# Altium PCB SystemStatus.PcbDoc (part 2 of 2)
Units mm, origin at the board's own origin, x right, y up, seen from the top; angles counter-clockwise.
Board outline 73.66 x 76.83 mm, 4 copper layers (Sig/3V3, GND 1, GND 2, Sig/5V), stack 1.57 mm thick; 74 components, 62 nets, 474 pads, 229 vias.
Unrouted connection lines stored in the file: 1.
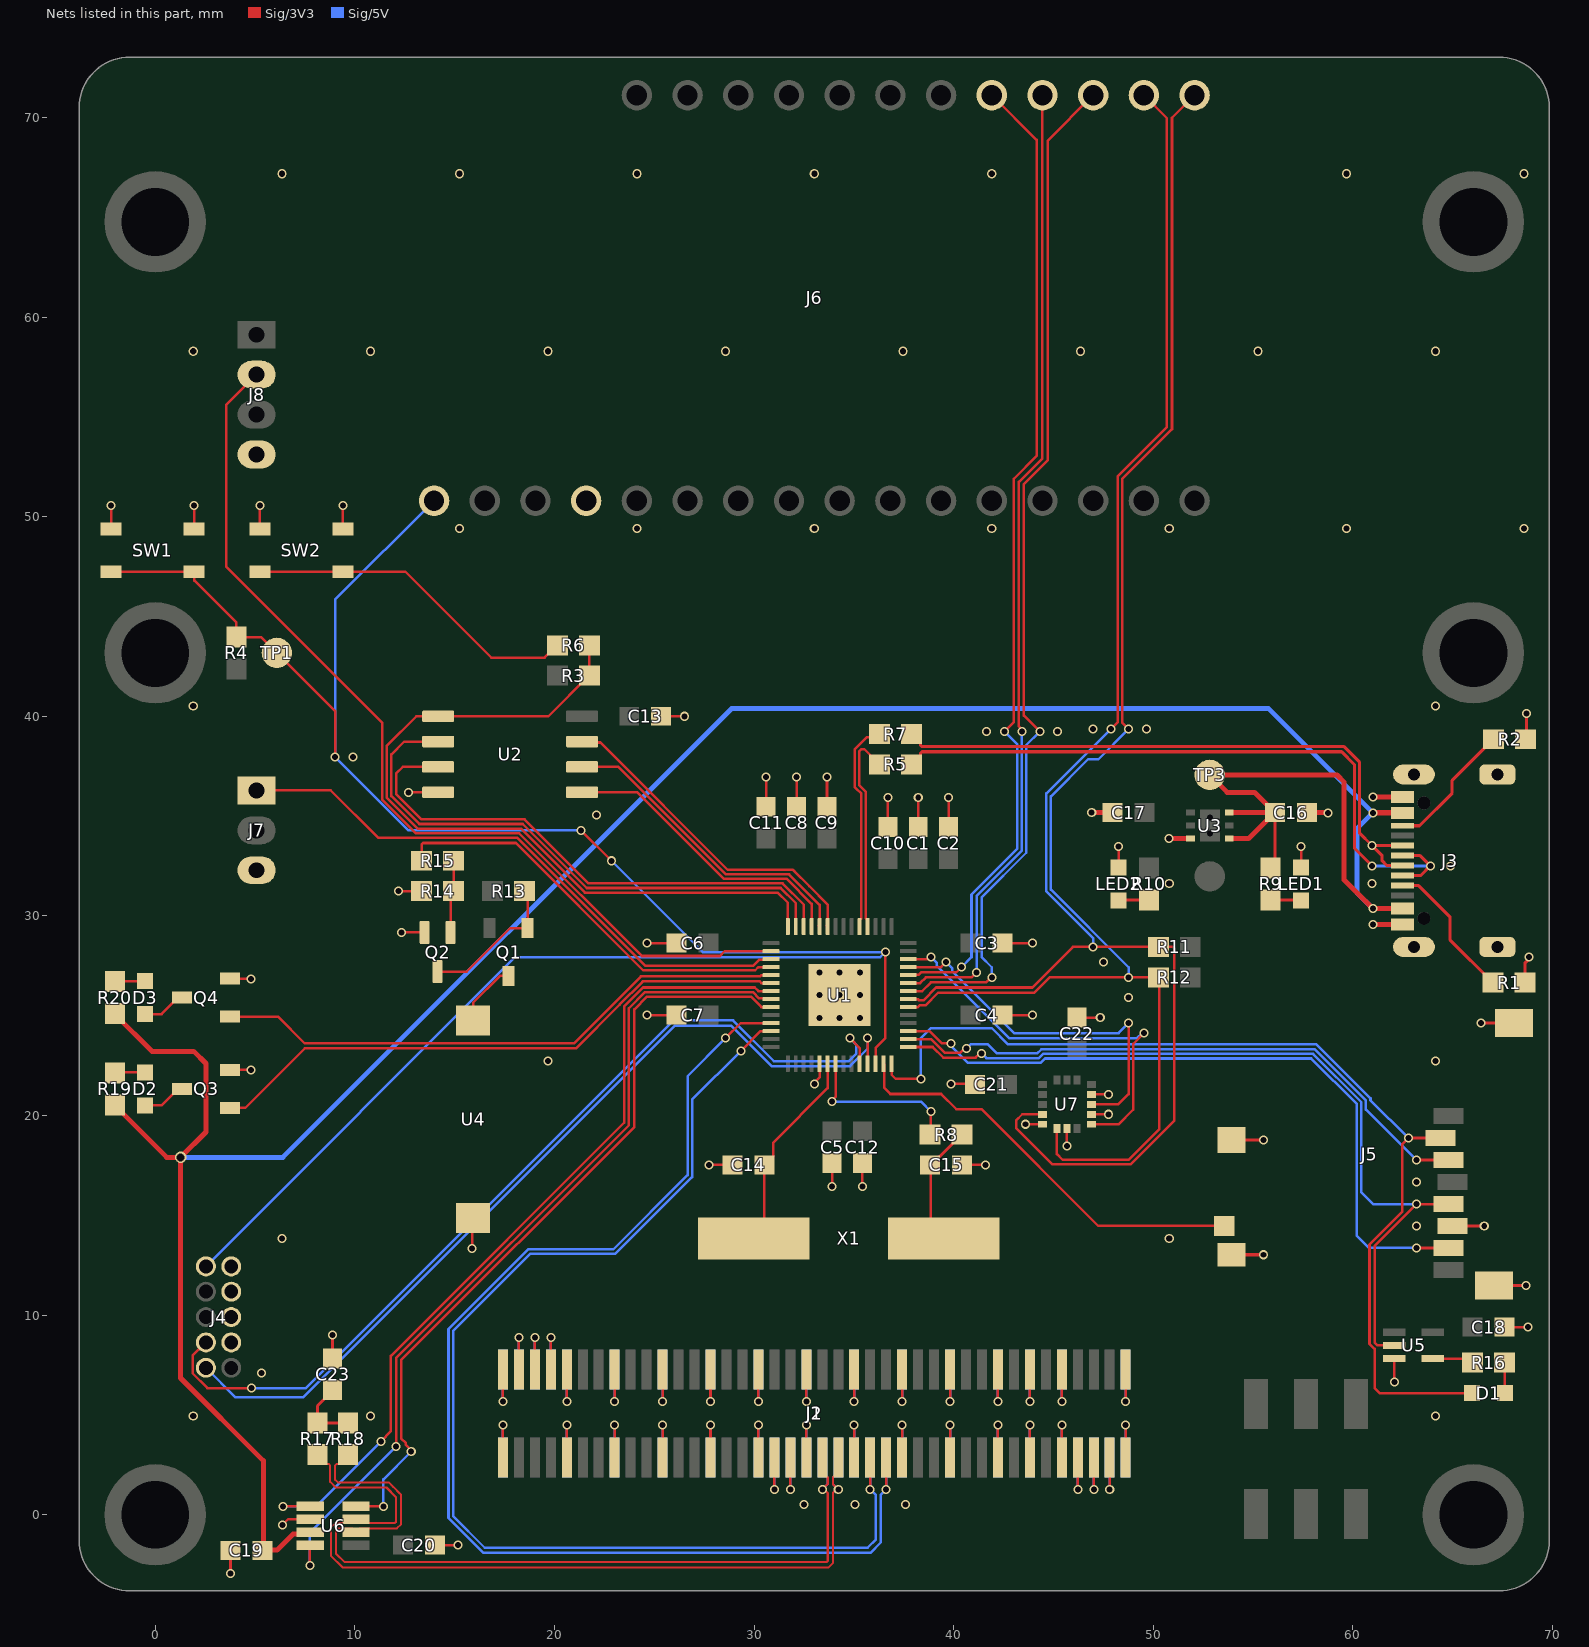
[diagram p4: the nets of this part, all layers, seen from the top]

## Via types
v1: diameter 0.452, hole 0.3, Sig/3V3 to Sig/5V, tented top, 170 vias
v2: diameter 0.457, hole 0.305, Sig/3V3 to Sig/5V, 58 vias
v3: diameter 0.579, hole 0.402, Sig/3V3 to Sig/5V, tented top, 1 vias

## Nets (pads, with @x,y where several pads share a name; then routed paths per layer and width w, separated by ;. In a path a pad name is that pad's centre, name@x,y a point inside that pad or via, vN(x,y) a via of type N, cw(c..) or ccw(c..) an arc to the next point about the centre after c; other vN are vias at no path point) (continued)
+5V: J1.3 J1.5 J1.7 J1.43 J1.45 J1.74 J1.76 J1.78 J2.3 J2.5 J2.7 J2.43 J2.45 J2.74 J2.76 J2.78 | length 25.8
  Sig/3V3 w0.127: J2.78@18.22,7.28 v1(18.22,8.89) ; J2.76@19.02,7.28 v1(19.02,8.89) ; J2.74@19.82,7.28 v1(19.82,8.89) ; v1(31.02,1.27) J2.45@31.02,2.88 ; v1(31.82,1.27) J2.43@31.82,2.88 ; v1(46.22,1.27) J2.7@46.22,2.88 ; v1(47.02,1.27) J2.5@47.02,2.88 ; v1(47.82,1.27) J2.3@47.82,2.88
  Sig/5V w0.127: J1.78@18.22,7.28 v1(18.22,8.89) ; J1.76@19.02,7.28 v1(19.02,8.89) ; J1.74@19.82,7.28 v1(19.82,8.89) ; v1(31.02,1.27) J1.45@31.02,2.88 ; v1(31.82,1.27) J1.43@31.82,2.88 ; v1(46.22,1.27) J1.7@46.22,2.88 ; v1(47.02,1.27) J1.5@47.02,2.88 ; v1(47.82,1.27) J1.3@47.82,2.88
+5V_USB0: C16.2 C19.2 J3.A4_B9 J3.B4_A9 R9.2 R19.2 R20.2 TP3.1 U3.4 U3.6 U6.3 | length 144.6
  Sig/3V3 w0.152: R9.2@56.096,32.62 C16.2@56.096,35.175
  Sig/3V3 w0.254: R19.2@-2.024,20.536 -2.024,20.511 0.58,17.907 v3(1.27,17.907) ; R20.2@-2.024,25.108 -2.024,25.083 -0.161,23.22 1.926,23.22 2.54,22.606 2.54,19.177 v3(1.27,17.907) ; U6.3@7.763,-0.874 7.674,-0.963 6.911,-0.963 6.104,-1.77 5.38,-1.77 C19.2@5.372,-1.778 5.418,-1.732 5.418,2.71 1.27,6.858 v3(1.27,17.907) ; U3.4@53.807,33.875 54.771,33.875 C16.2@56.071,35.175 ; U3.6@53.807,35.175 C16.2@56.071,35.175 ; C16.2@56.096,35.175 C16.2@56.071,35.175 ; v1(60.998,35.17) J3.B4_A9@62.484,35.17 ; J3.A4_B9@62.484,30.37 v1(60.998,30.37) 59.563,31.805 59.563,36.703 59.201,37.065 TP3.1@52.832,37.065 53.702,36.195 55.076,36.195 55.723,35.548 55.723,35.523 C16.2@56.071,35.175
  Sig/5V w0.254: v3(1.27,17.907) 6.394,17.907 28.873,40.386 55.782,40.386 v1(60.998,35.17) 60.198,34.37 60.198,31.17 v1(60.998,30.37)
BRD_I2C_SCL: J6.18 R11.1 U1.35 U7.4 | length 81.2
  Sig/3V3 w0.127: U1.35@37.725,25.835 38.208,25.835 38.269,25.775 38.481,25.775 39.122,26.416 43.942,26.416 45.974,28.448 v1(46.99,28.448) R11.1@50.254,28.448 50.98,28.448 51.054,28.374 51.054,19.743 48.863,17.551 44.952,17.551 43.13,19.374 43.13,19.758 43.438,20.066 U7.4@44.45,20.066 ; v1(47.879,39.37) 48.211,39.702 48.211,52.021 50.686,54.496 50.686,69.964 J6.18@49.53,71.12
  Sig/5V w0.127: v1(46.99,28.448) 46.984,28.454 46.984,28.892 44.647,31.23 44.647,36.138 v1(47.879,39.37)
BRD_I2C_SDA: J6.17 R12.1 U1.34 U7.6 | length 77.3
  Sig/3V3 w0.127: U1.34@37.725,25.435 38.208,25.435 38.294,25.521 38.586,25.521 39.228,26.162 44.047,26.162 44.809,26.924 v1(48.768,26.924) R12.1@50.254,26.924 50.292,26.886 50.292,19.304 48.768,17.78 45.466,17.78 45.175,18.071 U7.6@45.175,19.341 ; v1(48.768,39.37) 48.44,39.698 48.44,51.89 50.94,54.39 50.94,69.99 J6.17@52.07,71.12
  Sig/5V w0.127: v1(48.768,26.924) 48.768,27.432 44.875,31.325 44.875,35.985 46.742,37.852 47.25,37.852 v1(48.768,39.37)
CAN0_GRN: Q3.1 U1.6 | length 29.8
  Sig/3V3 w0.127: Q3.1@3.748,20.386 4.511,20.386 7.493,23.368 21.082,23.368 23.266,25.552 23.266,25.557 24.405,26.695 24.409,26.695 24.435,26.721 30.286,26.721 30.372,26.635 U1.6@30.855,26.635
CAN0_N: J1.39 J2.39 R18.2 U6.6 | length 43.7
  Sig/3V3 w0.102: R18.2@9.652,3.01 9.652,2.985 9.203,2.536 9.077,2.536 9.017,2.476 9.017,1.756 9.153,1.621 11.693,1.621 11.841,1.472 11.916,1.397 12.245,1.069 12.319,0.994 12.319,-0.468 12.111,-0.676 10.757,-0.676 10.748,-0.685 10.252,-0.685 U6.6@10.063,-0.874 9.874,-0.685 9.378,-0.685 9.369,-0.676 9.119,-0.676 9.059,-0.736 9.059,-1.947 9.487,-2.375 33.633,-2.375 33.693,-2.315 33.693,0.902 33.693,1.092 33.515,1.27 v1(33.42,1.27) 33.693,1.543 33.693,1.871 33.633,1.931 33.619,1.931 33.42,2.13 J2.39@33.42,2.88
  Sig/5V w0.102: v1(33.42,1.27) 33.693,1.543 33.693,1.871 33.633,1.931 33.619,1.931 33.42,2.13 J1.39@33.42,2.88
CAN0_P: J1.37 J2.37 R17.1 U6.7 | length 44.5
  Sig/3V3 w0.102: R17.1@8.128,3.01 8.128,2.985 8.577,2.536 8.703,2.536 8.763,2.476 8.763,1.651 9.047,1.367 11.587,1.367 12.065,0.889 12.065,-0.362 12.005,-0.422 10.757,-0.422 10.748,-0.413 10.252,-0.413 U6.7@10.063,-0.224 9.874,-0.413 9.378,-0.413 9.369,-0.422 9.013,-0.422 8.805,-0.63 8.805,-2.052 9.382,-2.629 33.739,-2.629 33.947,-2.421 33.947,1.008 33.947,1.092 34.125,1.27 v1(34.22,1.27) 33.947,1.543 33.947,1.871 34.007,1.931 34.021,1.931 34.22,2.13 J2.37@34.22,2.88
  Sig/5V w0.102: v1(34.22,1.27) 33.947,1.543 33.947,1.871 34.007,1.931 34.021,1.931 34.22,2.13 J1.37@34.22,2.88
CAN0_RX: U1.8 U6.4 | length 43.2
  Sig/3V3 w0.127: v1(7.747,-2.54) 7.747,-1.54 U6.4@7.763,-1.524 ; v1(12.065,3.429) 12.065,7.852 23.724,19.511 23.724,25.368 24.543,26.187 29.942,26.187 30.258,25.872 30.819,25.872 U1.8@30.855,25.835
  Sig/5V w0.127: v1(7.747,-2.54) 7.747,-0.889 v1(12.065,3.429)
CAN0_STB: U1.9 U6.8 | length 39.2
  Sig/3V3 w0.127: U6.8@10.063,0.426 v1(11.43,0.426) ; v1(12.827,3.175) 12.827,3.233 12.561,3.498 12.561,3.588 12.319,3.83 12.319,7.747 24.003,19.431 24.003,25.324 24.638,25.959 29.848,25.959 30.372,25.435 U1.9@30.855,25.435
  Sig/5V w0.127: v1(11.43,0.426) 11.43,1.778 v1(12.827,3.175)
CAN0_TX: U1.7 U6.1 | length 42.3
  Sig/3V3 w0.127: v1(6.396,0.426) U6.1@7.763,0.426 ; v1(11.303,3.683) 11.811,4.191 11.811,7.957 23.495,19.641 23.495,25.462 24.449,26.416 30.037,26.416 30.218,26.235 U1.7@30.855,26.235
  Sig/5V w0.127: v1(6.396,0.426) 8.046,0.426 v1(11.303,3.683)
CAN0_YLW: Q4.1 U1.5 | length 29.1
  Sig/3V3 w0.127: Q4.1@3.748,24.958 6.157,24.958 7.493,23.622 20.977,23.622 24.329,26.975 30.311,26.975 30.372,27.035 U1.5@30.855,27.035
FW_SW2: J6.21 U1.38 | length 49.5
  Sig/3V3 w0.127: U1.38@37.725,27.035 37.734,27.044 38.237,27.044 38.371,27.178 40.132,27.178 v1(40.386,27.432) ; J6.21@41.91,71.12 44.156,68.874 44.156,53.046 43.015,51.905 43.015,39.713 v1(42.545,39.243)
  Sig/5V w0.127: v1(40.386,27.432) 40.894,27.94 40.894,31.071 43.18,33.357 43.18,38.608 v1(42.545,39.243)
FW_SW3: J6.19 U1.36 | length 51.9
  Sig/3V3 w0.127: U1.36@37.725,26.235 38.427,26.235 38.862,26.67 41.628,26.67 41.882,26.924 v1(41.91,26.924) ; v1(44.323,39.243) 43.523,40.043 43.523,51.638 44.704,52.819 44.704,68.834 J6.19@46.99,71.12
  Sig/5V w0.127: v1(41.91,26.924) 41.91,27.432 41.402,27.94 41.402,30.933 43.637,33.168 43.637,38.557 v1(44.323,39.243)
FW_SW4: J6.20 U1.37 | length 49.1
  Sig/3V3 w0.127: U1.37@37.725,26.635 38.319,26.635 38.608,26.924 40.886,26.924 41.14,27.178 v1(41.148,27.178) ; v1(43.434,39.243) 43.434,39.331 43.269,39.496 43.269,51.743 44.45,52.924 J6.20@44.45,71.12
  Sig/5V w0.127: v1(41.148,27.178) 41.148,31.002 43.409,33.263 43.409,39.218 v1(43.434,39.243)
GND: C1.1 C2.1 C3.1 C4.1 C5.1 C6.1 C7.1 C8.1 C9.1 C10.1 C11.1 C12.1 C13.1 C14.1 C15.1 C16.1 C17.1 C18.2 C19.1 C20.1 C21.1 C22.1 C23.2 J1.1 J1.2 J1.9 J1.10 J1.13 J1.14 J1.17 J1.18 J1.23 J1.24 J1.29 J1.30 J1.35 J1.36 J1.41 J1.42 J1.47 J1.48 J1.53 J1.54 J1.59 J1.60 J1.65 J1.66 J1.71 J1.72 J1.79 J1.80 J2.1 J2.2 J2.9 J2.10 J2.13 J2.14 J2.17 J2.18 J2.23 J2.24 J2.29 J2.30 J2.35 J2.36 J2.41 J2.42 J2.47 J2.48 J2.53 J2.54 J2.59 J2.60 J2.65 J2.66 J2.71 J2.72 J2.79 J2.80 J3.A1_B12 J3.B1_A12 J3.S1 J3.S2 J3.S3 J3.S4 J4.3 J4.5 J4.7 J4.9 J5.G1 J5.G2 J5.G3 J5.G4 J5.P6 J6.4 J7.3 J8.4 LED1.C LED2.C Q2.2 Q3.2 Q4.2 R1.1 R2.1 R14.1 SW1.3 SW1.4 SW2.3 SW2.4 U1.19 U1.57 U2.4 U3.3 U4.N U5.3 U6.2 U7.5 U7.7 U7.10 U7.12 | length 155.9
  Sig/3V3 w0.127: SW1.4@-2.204,49.394 v1(-2.204,50.564) ; SW1.3@1.946,49.394 v1(1.946,50.564) ; Q3.2@3.748,22.286 v1@4.79,22.286 ; Q4.2@3.748,26.858 v1@4.79,26.858 ; v1(3.772,-2.948) C19.1@3.772,-1.778 ; SW2.4@5.248,49.394 v1(5.248,50.564) ; v1(6.371,-0.508) 6.655,-0.224 U6.2@7.763,-0.224 ; C23.2@8.883,7.841 v1(8.883,9.011) ; SW2.3@9.398,49.394 v1(9.398,50.564) ; v1(12.178,31.242) R14.1@13.348,31.242 ; v1(12.328,29.174) Q2.2@13.498,29.174 ; v1(12.689,36.195) U2.4@14.175,36.195 ; C20.1@14.008,-1.524 v1(15.178,-1.524) ; v1(15.875,13.335) 15.875,14.811 U4.N@15.926,14.862 ; J2.79@17.42,2.88 v1(17.42,4.49) ; v1(17.42,5.67) J2.80@17.42,7.28 ; J2.71@20.62,2.88 v1(20.62,4.49) ; v1(20.62,5.67) J2.72@20.62,7.28 ; J2.65@23.02,2.88 v1(23.02,4.49) ; v1(23.02,5.67) J2.66@23.02,7.28 ; v1(24.638,25.035) C7.1@26.124,25.035 ; v1(24.638,28.635) C6.1@26.124,28.635 ; C13.1@25.349,40.005 v1(26.519,40.005) ; J2.59@25.42,2.88 v1(25.42,4.49) ; v1(25.42,5.67) J2.60@25.42,7.28 ; v1(27.748,17.526) C14.1@28.918,17.526 ; J2.53@27.82,2.88 v1(27.82,4.49) ; v1(27.82,5.67) J2.54@27.82,7.28 ; J2.47@30.22,2.88 v1(30.22,4.49) ; v1(30.22,5.67) J2.48@30.22,7.28 ; C11.1@30.607,35.471 v1(30.607,36.957) ; C8.1@32.131,35.471 v1(32.131,36.957) ; J2.41@32.62,2.88 v1(32.62,4.49) ; v1(32.62,5.67) J2.42@32.62,7.28 ; v1@33.02,21.639 33.29,21.909 U1.19@33.29,22.6 ; C9.1@33.655,35.471 v1(33.655,36.957) ; v1(33.909,16.445) C5.1@33.909,17.615 ; J2.35@35.02,2.88 v1(35.02,4.49) ; v1(35.02,5.67) J2.36@35.02,7.28 ; v1(35.433,16.445) C12.1@35.433,17.615 ; C10.1@36.703,34.455 v1(36.703,35.941) ; J2.29@37.42,2.88 v1(37.42,4.49) ; v1(37.42,5.67) J2.30@37.42,7.28 ; C1.1@38.227,34.455 v1(38.227,35.941) ; C2.1@39.751,34.455 v1(39.751,35.941) ; J2.23@39.82,2.88 v1(39.82,4.49) ; v1(39.82,5.67) J2.24@39.82,7.28 ; v1(39.878,21.59) 41.048,21.59 C21.1@41.072,21.566 ; C15.1@40.424,17.526 v1(41.594,17.526) ; J2.17@42.22,2.88 v1(42.22,4.49) ; v1(42.22,5.67) J2.18@42.22,7.28 ; C4.1@42.456,25.035 v1(43.942,25.035) ; C3.1@42.672,28.635 v1(43.942,28.635) ; v1(43.593,19.566) U7.5@44.45,19.566 ; J2.13@43.82,2.88 v1(43.82,4.49) ; v1(43.82,5.67) J2.14@43.82,7.28 ; J2.9@45.42,2.88 v1(45.42,4.49) ; v1(45.42,5.67) J2.10@45.42,7.28 ; v1(45.675,18.484) U7.7@45.675,19.341 ; C22.1@46.175,24.906 v1(47.345,24.906) ; U7.10@46.9,20.066 v1(47.757,20.066) ; U7.12@46.9,21.066 v1(47.757,21.066) ; LED2.C@48.26,32.429 v1@48.26,33.471 ; J2.1@48.62,2.88 v1(48.62,4.49) ; v1(48.62,5.67) J2.2@48.62,7.28 ; LED1.C@57.404,32.429 v1@57.404,33.471 ; v1(62.078,6.653) U5.3@62.078,7.823 ; C18.2@67.602,9.398 v1(68.772,9.398)
  Sig/3V3 w0.152: J5.G3@53.922,13.028 v1(55.522,13.028) ; J5.G4@53.922,18.778 v1(55.522,18.778) ; J5.P6@64.982,14.468 v1(66.582,14.468) ; v1(66.421,24.638) J5.G2@68.021,24.638 ; J5.G1@67.072,11.488 v1(68.672,11.488) ; R1.1@68.631,26.662 68.631,27.656 68.834,27.859 v1(68.834,27.94) ; R2.1@68.656,38.854 68.707,38.905 v1(68.707,40.132)
  Sig/3V3 w0.254: v1@46.926,35.175 C17.1@47.968,35.175 ; v1@50.808,33.883 U3.3@51.85,33.883 ; C16.1@57.696,35.175 v1@58.738,35.175 ; v1(60.998,29.57) J3.A1_B12@62.484,29.57 ; v1(60.998,35.97) J3.B1_A12@62.484,35.97
  Sig/5V w0.127: J1.79@17.42,2.88 v1(17.42,4.49) ; v1(17.42,5.67) J1.80@17.42,7.28 ; J1.71@20.62,2.88 v1(20.62,4.49) ; v1(20.62,5.67) J1.72@20.62,7.28 ; J1.65@23.02,2.88 v1(23.02,4.49) ; v1(23.02,5.67) J1.66@23.02,7.28 ; J1.59@25.42,2.88 v1(25.42,4.49) ; v1(25.42,5.67) J1.60@25.42,7.28 ; J1.53@27.82,2.88 v1(27.82,4.49) ; v1(27.82,5.67) J1.54@27.82,7.28 ; J1.47@30.22,2.88 v1(30.22,4.49) ; v1(30.22,5.67) J1.48@30.22,7.28 ; J1.41@32.62,2.88 v1(32.62,4.49) ; v1(32.62,5.67) J1.42@32.62,7.28 ; J1.35@35.02,2.88 v1(35.02,4.49) ; v1(35.02,5.67) J1.36@35.02,7.28 ; J1.29@37.42,2.88 v1(37.42,4.49) ; v1(37.42,5.67) J1.30@37.42,7.28 ; J1.23@39.82,2.88 v1(39.82,4.49) ; v1(39.82,5.67) J1.24@39.82,7.28 ; J1.17@42.22,2.88 v1(42.22,4.49) ; v1(42.22,5.67) J1.18@42.22,7.28 ; J1.13@43.82,2.88 v1(43.82,4.49) ; v1(43.82,5.67) J1.14@43.82,7.28 ; J1.9@45.42,2.88 v1(45.42,4.49) ; v1(45.42,5.67) J1.10@45.42,7.28 ; J1.1@48.62,2.88 v1(48.62,4.49) ; v1(48.62,5.67) J1.2@48.62,7.28
  other v1: 32.512,0.508 35.052,0.508 37.592,0.508 5.334,7.112 63.182,14.468 63.182,16.668 33.02,21.59 4.798,22.279 33.274,24.892 34.29,24.892 35.306,24.892 48.768,25.908 33.274,26.035 34.29,26.035 35.306,26.035 4.797,26.85 33.274,27.178 34.29,27.178 35.306,27.178 47.498,27.686 60.96,31.623 64.897,32.512 48.268,33.479 57.412,33.479 50.8,33.89 22.098,35.052 46.918,35.183 58.746,35.168 9.906,37.973 41.656,39.243 45.212,39.243 46.99,39.37 49.657,39.37
  other v2: 1.905,4.953 10.795,4.953 64.135,4.953 6.35,13.843 50.8,13.843 19.685,22.733 64.135,22.733 50.8,31.623 1.905,40.513 64.135,40.513 15.24,49.403 24.13,49.403 33.02,49.403 41.91,49.403 50.8,49.403 59.69,49.403 68.58,49.403 1.905,58.293 10.795,58.293 19.685,58.293 28.575,58.293 37.465,58.293 46.355,58.293 55.245,58.293 64.135,58.293 6.35,67.183 15.24,67.183 24.13,67.183 33.02,67.183 41.91,67.183 59.69,67.183 68.58,67.183
I2C0_SCL: J1.33 J2.33 U1.12 | length 61.6
  Sig/3V3 w0.127: v1(29.337,23.241) 30.331,24.235 U1.12@30.855,24.235 ; v1(35.82,1.27) J2.33@35.82,2.88
  Sig/5V w0.127: v1(29.337,23.241) 26.899,20.803 26.899,16.923 23.043,13.068 18.778,13.068 14.923,9.212 14.923,-0.064 16.51,-1.651 35.687,-1.651 36.106,-1.232 36.106,0.984 v1(35.82,1.27) J1.33@35.82,2.88
I2C0_SDA: J1.31 J2.31 U1.11 | length 63.5
  Sig/3V3 w0.127: v1(28.575,23.876) 29.334,24.635 U1.11@30.855,24.635 ; v1(36.62,1.27) J2.31@36.62,2.88
  Sig/5V w0.127: v1(28.575,23.876) 26.67,21.971 26.67,17.018 22.948,13.296 18.683,13.296 14.694,9.307 14.694,-0.158 16.441,-1.905 35.83,-1.905 36.36,-1.375 36.36,1.01 v1(36.62,1.27) J1.31@36.62,2.88
IMU_INT1: U1.39 U7.11 | length 18.6
  Sig/3V3 w0.127: U1.39@37.725,27.435 39.373,27.435 v1(39.624,27.686) ; U7.11@46.9,20.566 46.904,20.57 48.256,20.57 48.768,21.082 v1(48.768,24.638)
  Sig/5V w0.127: v1(39.624,27.686) 39.923,27.387 39.923,27.24 43.033,24.13 48.26,24.13 v1(48.768,24.638)
IMU_INT2: U1.40 U7.9 | length 20.2
  Sig/3V3 w0.127: U1.40@37.725,27.835 38.669,27.835 38.774,27.94 v1(38.862,27.94) ; U7.9@46.9,19.566 46.904,19.562 48.256,19.562 48.997,20.303 48.997,23.597 v1(49.53,24.13)
  Sig/5V w0.127: v1(38.862,27.94) 39.161,27.641 39.161,27.494 42.779,23.876 49.195,23.876 49.449,24.13 v1(49.53,24.13)
LEAK_ALARM: R15.1 U1.4 | length 21.1
  Sig/3V3 w0.127: R15.1@13.348,32.766 13.348,33.581 13.422,33.655 18.073,33.655 24.449,27.28 30.063,27.28 30.218,27.435 U1.4@30.855,27.435
LEAK_N: J7.1 U1.3 | length 29.5
  Sig/3V3 w0.127: J7.1@5.08,36.29 8.795,36.29 11.176,33.909 18.142,33.909 24.543,27.508 29.968,27.508 30.258,27.798 30.819,27.798 U1.3@30.855,27.835
LID_OPEN: J8.2 U1.2 | length 48
  Sig/3V3 w0.127: J8.2@5.08,57.118 3.556,55.594 3.556,47.498 11.379,39.675 11.379,35.82 13.062,34.138 18.237,34.138 24.38,27.995 28.292,27.995 28.532,28.235 U1.2@30.855,28.235
NetC15_2: C15.2 R8.1 X1.1 | length 5.2
  Sig/3V3 w0.127: X1.1@38.849,14.541 C15.2@38.849,17.551
  Sig/3V3 w0.152: C15.2@38.849,17.551 39.223,17.925 39.274,17.925 40.399,19.05 R8.1@40.424,19.05
NetC23_1: C23.1 R17.2 R18.1 | length 3.5
  Sig/3V3 w0.152: C23.1@8.883,6.241 8.883,6.216 8.128,5.461 R17.2@8.128,4.61 R18.1@9.652,4.61
NetD1_A: D1.A R16.1 | length 1.5
  Sig/3V3 w0.127: R16.1@67.602,7.62 67.602,6.121 D1.A@67.627,6.096
NetD2_A: D2.A R19.1 | length 1.5
  Sig/3V3 w0.127: R19.1@-1.999,22.161 D2.A@-0.5,22.161
NetD2_C: D2.C Q3.3 | length 2.2
  Sig/3V3 w0.127: D2.C@-0.5,20.511 0.323,20.511 1.148,21.336 Q3.3@1.348,21.336
NetD3_A: D3.A R20.1 | length 1.5
  Sig/3V3 w0.127: R20.1@-1.999,26.733 D3.A@-0.5,26.733
NetD3_C: D3.C Q4.3 | length 2.2
  Sig/3V3 w0.127: D3.C@-0.5,25.083 0.323,25.083 1.148,25.908 Q4.3@1.348,25.908
NetJ3_A5: J3.A5 R1.2 | length 7.2
  Sig/3V3 w0.152: J3.A5@62.484,31.52 63.298,31.52 64.857,29.96 64.857,28.811 67.006,26.662 R1.2@67.031,26.662
NetJ3_B5: J3.B5 R2.2 | length 6.7
  Sig/3V3 w0.152: J3.B5@62.484,34.52 63.34,34.52 64.974,36.154 64.974,36.797 67.031,38.854 R2.2@67.056,38.854
NetLED1_A: LED1.A R9.1 | length 1.5
  Sig/3V3 w0.152: R9.1@55.88,30.804 LED1.A@57.379,30.804
NetLED2_A: LED2.A R10.1 | length 1.5
  Sig/3V3 w0.152: LED2.A@48.285,30.804 R10.1@49.784,30.804
NetQ1_1: Q1.1 Q2.3 R13.1 | length 7.3
  Sig/3V3 w0.127: Q2.3@14.148,27.214 15.607,27.214 17.787,29.394 Q1.1@18.654,29.394 18.654,31.092 R13.1@18.504,31.242
NetQ1_3: Q1.3 U4.P | length 3.2
  Sig/3V3 w0.127: U4.P@15.926,24.762 15.926,25.654 17.266,26.994 Q1.3@17.704,26.994
NetQ2_1: Q2.1 R14.2 R15.2 | length 3.7
  Sig/3V3 w0.127: Q2.1@14.798,29.174 14.798,31.092 R14.2@14.948,31.242 R15.2@14.948,32.766 R15.2@14.986,32.804
QSPI_CLK: U1.52 U2.6 | length 15.9
  Sig/3V3 w0.127: U2.6@21.385,37.465 23.209,37.465 28.587,32.087 31.758,32.087 33.29,30.555 U1.52@33.29,29.521 ; U1.52@33.239,29.521 U1.52@33.29,29.47
QSPI_SD0: U1.53 U2.5 | length 15
  Sig/3V3 w0.127: U2.5@21.385,36.195 24.155,36.195 28.492,31.859 31.641,31.859 32.89,30.61 U1.53@32.89,29.47
QSPI_SD1: U1.55 U2.2 | length 28.3
  Sig/3V3 w0.127: U2.2@14.175,38.735 12.478,38.735 11.836,38.093 11.836,36.01 13.239,34.608 18.414,34.608 21.62,31.401 31.337,31.401 32.09,30.648 U1.55@32.09,29.47
QSPI_SD2: U1.54 U2.3 | length 27.1
  Sig/3V3 w0.127: U2.3@14.175,37.465 12.402,37.465 12.065,37.128 12.065,36.105 13.333,34.836 18.508,34.836 21.715,31.63 31.431,31.63 32.49,30.571 U1.54@32.49,29.47
QSPI_SD3: U1.51 U2.7 | length 16.8
  Sig/3V3 w0.127: U2.7@21.385,38.735 21.429,38.691 22.306,38.691 28.681,32.316 31.946,32.316 32.004,32.258 32.766,31.496 33.69,30.572 U1.51@33.69,29.521 ; U1.51@33.639,29.521 U1.51@33.69,29.47
QSPI_SS: R3.1 R6.2 U1.56 U2.1 | length 39.2
  Sig/3V3 w0.127: R6.2@21.755,43.561 R3.1@21.755,42.037 21.73,42.037 19.698,40.005 U2.1@14.175,40.005 13.081,40.005 11.608,38.532 11.608,35.915 13.144,34.379 18.319,34.379 21.525,31.173 31.184,31.173 31.69,30.667 U1.56@31.69,29.47
RESET: J4.10 J6.1 R4.1 SW1.1 SW1.2 TP1.1 U1.26 | length 110.3
  Sig/3V3 w0.127: SW1.2@-2.204,47.244 SW1.1@1.946,47.244 1.965,47.225 1.965,46.803 4.064,44.704 R4.1@4.064,43.98 4.089,43.955 5.321,43.955 9.017,40.259 v1(9.017,37.973) ; v1(21.336,34.29) v1(22.86,32.766) ; U1.26@36.09,22.6 36.09,23.39 36.576,23.876 v1(36.576,28.194)
  Sig/5V w0.127: J4.10@2.54,12.446 18.034,27.94 36.322,27.94 v1(36.576,28.194) 27.432,28.194 v1(22.86,32.766) ; J6.1@14.237,51.067 J6.1@13.97,50.8 9.017,45.847 v1(9.017,37.973) 12.7,34.29 v1(21.336,34.29)
RP_XIN: C14.2 U1.20 X1.2 | length 9
  Sig/3V3 w0.127: X1.2@30.518,14.364 C14.2@30.518,17.526 ; C14.2@30.954,17.938 30.954,18.635 33.69,21.371 U1.20@33.69,22.6
RP_XOUT: R8.2 U1.21 | length 8.3
  Sig/3V3 w0.127: v1(33.909,20.701) 33.909,20.758 34.09,20.939 U1.21@34.09,22.6 ; R8.2@38.824,19.05 38.862,19.088 v1(38.862,20.193)
  Sig/5V w0.127: v1(33.909,20.701) 38.354,20.701 v1(38.862,20.193)
SD_ACT: R16.2 U5.4 | length 2.1
  Sig/3V3 w0.127: U5.4@64.008,7.823 65.799,7.823 R16.2@66.002,7.62
SD_CD: J5.P9 U1.27 | length 21.1
  Sig/3V3 w0.127: U1.27@36.49,22.6 36.514,22.576 36.514,21.398 36.83,21.082 39.37,21.082 40.132,20.32 41.402,20.32 47.244,14.478 J5.P9@53.552,14.478
SD_CLK: J5.P5 U1.29 U5.2 | length 42.2
  Sig/3V3 w0.127: U1.29@37.725,23.435 38.95,23.435 39.481,22.905 41.104,22.905 41.314,23.114 v1(41.402,23.114) ; U5.2@62.078,8.484 61.239,8.484 61.087,8.636 61.087,13.473 v1(63.182,15.568) J5.P5@64.782,15.568
  Sig/5V w0.127: v1(41.402,23.114) 41.404,23.114 41.639,22.879 44.273,22.879 44.482,23.089 58.007,23.089 60.427,20.669 60.427,16.154 61.013,15.568 v1(63.182,15.568)
SD_CS: D1.C J5.P2 U1.28 | length 51.1
  Sig/3V3 w0.127: U1.28@36.89,22.6 36.89,22.045 37.091,21.844 v1(38.354,21.844) ; v1(62.782,18.868) 62.484,18.57 62.484,15.193 60.833,13.542 60.833,8.567 61.087,8.313 61.087,6.35 61.341,6.096 D1.C@65.977,6.096
  Sig/3V3 w0.152: v1(62.782,18.868) J5.P2@64.382,18.868
  Sig/5V w0.127: v1(38.354,21.844) 38.354,23.876 38.862,24.384 41.91,24.384 42.723,23.571 58.171,23.571 60.884,20.858 60.884,20.766 v1(62.782,18.868)
SD_DI: J5.P3 U1.30 | length 30.4
  Sig/3V3 w0.127: U1.30@37.725,23.835 38.874,23.835 39.55,23.159 40.342,23.159 40.552,23.368 v1(40.64,23.368)
  Sig/3V3 w0.152: v1(63.182,17.768) J5.P3@64.782,17.768
  Sig/5V w0.127: v1(40.64,23.368) 40.668,23.368 40.877,23.577 41.701,23.577 42.164,23.114 44.184,23.114 44.388,23.317 58.101,23.317 60.655,20.763 60.655,20.295 v1(63.182,17.768)
SD_DO: J5.P7 U1.31 | length 35.7
  Sig/3V3 w0.127: U1.31@37.725,24.235 38.797,24.235 39.41,23.622 v1(39.878,23.622)
  Sig/3V3 w0.152: v1(63.182,13.368) J5.P7@64.782,13.368
  Sig/5V w0.127: v1(39.878,23.622) 39.94,23.56 39.94,23.412 40.702,22.651 44.368,22.651 44.577,22.86 57.912,22.86 60.198,20.574 60.198,13.97 60.8,13.368 v1(63.182,13.368)
SWDCLK_RP: J4.4 U1.24 | length 46.4
  Sig/3V3 w0.127: J4.4@2.54,8.636 1.875,7.971 1.875,7.091 2.615,6.35 v1(4.826,6.35) ; v1(34.798,23.876) 35.29,23.384 U1.24@35.29,22.6
  Sig/5V w0.127: v1(4.826,6.35) 7.551,6.35 25.966,24.765 28.956,24.765 30.988,22.733 34.747,22.733 35.128,23.114 35.128,23.546 v1(34.798,23.876)
SWDIO_RP: J4.2 U1.25 | length 44.5
  Sig/3V3 w0.127: U1.25@35.69,22.6 v1@35.688,23.875
  Sig/5V w0.127: J4.2@2.54,7.366 4.02,5.887 7.411,5.887 26.035,24.511 28.851,24.511 30.883,22.479 34.816,22.479 35.687,23.35 v1(35.687,23.876)
USB0_D_N: J3.A7 J3.B7 R5.2 | length 34.4
  Sig/3V3 w0.152: R5.2@37.884,37.592 37.909,37.592 38.333,38.016 38.333,38.138 38.422,38.227 59.436,38.227 60.071,37.592 60.071,33.401 v1(60.96,32.512) ; J3.B7@62.484,32.02 63.389,32.02 v1(63.881,32.512) 63.373,33.02 J3.A7@62.484,33.02
  Sig/5V w0.152: v1(60.96,32.512) v1(63.881,32.512)
USB0_D_P: J3.A6 J3.B6 R7.2 | length 31.2
  Sig/3V3 w0.152: R7.2@37.884,39.116 37.909,39.116 38.333,38.692 38.333,38.57 38.422,38.481 59.563,38.481 60.325,37.719 60.325,34.163 v1(60.96,33.528) ; J3.A6@62.484,32.52 61.714,32.52 61.468,32.766 61.468,33.02 60.964,33.524 62.48,33.524 J3.B6@62.484,33.52
USB0_RP_N: R5.1 U1.46 | length 10.3
  Sig/3V3 w0.127: U1.46@35.69,29.47 35.69,29.79 35.604,29.876 35.604,36.22 35.266,36.558 35.266,38.245 35.375,38.354 35.522,38.354 R5.1@36.284,37.592
USB0_RP_P: R7.1 U1.47 | length 10.6
  Sig/3V3 w0.127: U1.47@35.29,29.47 35.29,29.79 35.376,29.876 35.376,36.125 35.105,36.396 35.038,36.463 35.038,38.34 35.643,38.945 36.113,38.945 R7.1@36.284,39.116
USB_BOOT: R6.1 SW2.1 SW2.2 | length 16.9
  Sig/3V3 w0.127: SW2.2@5.248,47.244 SW2.1@9.398,47.244 12.537,47.244 16.836,42.945 19.514,42.945 20.13,43.561 R6.1@20.155,43.561
pads on no net: J1.11 J1.12 J1.15 J1.16 J1.19 J1.20 J1.21 J1.22 J1.25 J1.26 J1.27 J1.28 J1.32 J1.34 J1.38 J1.40 J1.49 J1.50 J1.51 J1.52 J1.55 J1.56 J1.57 J1.58 J1.61 J1.62 J1.63 J1.64 J1.67 J1.68 J1.69 J1.70 J2.11 J2.12 J2.15 J2.16 J2.19 J2.20 J2.21 J2.22 J2.25 J2.26 J2.27 J2.28 J2.32 J2.34 J2.38 J2.40 J2.49 J2.50 J2.51 J2.52 J2.55 J2.56 J2.57 J2.58 J2.61 J2.62 J2.63 J2.64 J2.67 J2.68 J2.69 J2.70 J3. J3.A8 J3.B8 J4.6 J4.8 J5.P1 J5.P8 J6.3 J6.5 J6.6 J6.7 J6.8 J6.9 J6.10 J6.11 J6.12 J6.13 J6.14 J6.15 J6.16 J6.22 J6.23 J6.24 J6.25 J6.26 J6.27 J6.28 J8.3 U1.13 U1.14 U1.15 U1.16 U1.17 U1.18 U1.32 U1.41 U3.2 U3.5 U3.7 U3.8 U3.9 U5.1 U7.2 U7.3 U7.13 U7.15 U7.16

## Polygon pours and split planes (outlines as drawn)
+3V3_RP on Sig/3V3 "+3V3_RP_L01_P005" (solid, remove dead copper, pour order 5): -3.81,-1.27 -3.81,70.485 cw(c-1.27,70.485) -1.27,73.025 67.31,73.025 cw(c67.31,70.485) 69.85,70.485 69.85,-1.27 cw(c67.31,-1.27) 67.31,-3.81 -1.27,-3.81 cw(c-1.27,-1.27)
+1V1_RP on Sig/3V3 "+1V1_RP_L01_P001" (solid, remove dead copper, pour order 1): 37.79,29.535 30.79,29.535 30.79,22.535 37.776,22.535 37.806,22.505
+3V3 on Sig/3V3 "+3V3_L01_P000" (solid, remove dead copper, pour order 0): 50.546,10.414 49.53,11.43 16.51,11.43 15.494,10.414 15.494,-0.254 16.51,-1.27 49.53,-1.27 50.546,-0.254
+3V3_RP on Sig/5V "+3V3_RP_L04_P006" (solid, remove dead copper, pour order 6): -3.81,-1.27 -3.81,70.485 cw(c-1.27,70.485) -1.27,73.025 67.31,73.025 cw(c67.31,70.485) 69.85,70.485 69.85,-1.27 cw(c67.31,-1.27) 67.31,-3.81 -1.27,-3.81 cw(c-1.27,-1.27)
+5V on Sig/5V "+5V_L04_P002" (solid, remove dead copper, pour order 2): 50.546,10.414 49.53,11.43 16.51,11.43 15.494,10.414 15.494,-0.254 16.51,-1.27 49.53,-1.27 50.546,-0.254
GND on GND 2 (split plane): 67.509,72.507 67.706,72.478 67.9,72.429 68.088,72.362 68.268,72.277 68.439,72.174 68.599,72.056 68.747,71.922 68.881,71.774 68.999,71.614 69.102,71.443 69.187,71.263 69.254,71.075 69.303,70.881 69.332,70.684 69.341,70.501 69.34,70.485 69.34,-1.27 69.341,-1.286 69.332,-1.469 69.303,-1.666 69.254,-1.86 69.187,-2.048 69.102,-2.228 68.999,-2.399 68.881,-2.559 68.747,-2.707 68.599,-2.841 68.439,-2.959 68.268,-3.062 68.088,-3.147 67.9,-3.214 67.706,-3.263 67.509,-3.292 67.326,-3.301 67.31,-3.3 -1.27,-3.3 -1.286,-3.301 -1.469,-3.292 -1.666,-3.263 -1.86,-3.214 -2.048,-3.147 -2.228,-3.062 -2.399,-2.959 -2.559,-2.841 -2.707,-2.707 -2.841,-2.559 -2.959,-2.399 -3.062,-2.228 -3.147,-2.048 -3.214,-1.86 -3.263,-1.666 -3.292,-1.469 -3.301,-1.286 -3.3,-1.27 -3.3,70.485 -3.301,70.501 -3.292,70.684 -3.263,70.881 -3.214,71.075 -3.147,71.263 -3.062,71.443 -2.959,71.614 -2.841,71.774 -2.707,71.922 -2.559,72.056 -2.399,72.174 -2.228,72.277 -2.048,72.362 -1.86,72.429 -1.666,72.478 -1.469,72.507 -1.286,72.516 -1.27,72.515 67.31,72.515 67.326,72.516
GND on GND 1 (split plane): 67.509,72.507 67.706,72.478 67.9,72.429 68.088,72.362 68.268,72.277 68.439,72.174 68.599,72.056 68.747,71.922 68.881,71.774 68.999,71.614 69.102,71.443 69.187,71.263 69.254,71.075 69.303,70.881 69.332,70.684 69.341,70.501 69.34,70.485 69.34,-1.27 69.341,-1.286 69.332,-1.469 69.303,-1.666 69.254,-1.86 69.187,-2.048 69.102,-2.228 68.999,-2.399 68.881,-2.559 68.747,-2.707 68.599,-2.841 68.439,-2.959 68.268,-3.062 68.088,-3.147 67.9,-3.214 67.706,-3.263 67.509,-3.292 67.326,-3.301 67.31,-3.3 -1.27,-3.3 -1.286,-3.301 -1.469,-3.292 -1.666,-3.263 -1.86,-3.214 -2.048,-3.147 -2.228,-3.062 -2.399,-2.959 -2.559,-2.841 -2.707,-2.707 -2.841,-2.559 -2.959,-2.399 -3.062,-2.228 -3.147,-2.048 -3.214,-1.86 -3.263,-1.666 -3.292,-1.469 -3.301,-1.286 -3.3,-1.27 -3.3,70.485 -3.301,70.501 -3.292,70.684 -3.263,70.881 -3.214,71.075 -3.147,71.263 -3.062,71.443 -2.959,71.614 -2.841,71.774 -2.707,71.922 -2.559,72.056 -2.399,72.174 -2.228,72.277 -2.048,72.362 -1.86,72.429 -1.666,72.478 -1.469,72.507 -1.286,72.516 -1.27,72.515 67.31,72.515 67.326,72.516

## Keep-outs
Keep-Out Layer:
  the board outline again, w0.254

## Silkscreen, mask and mechanical layers (free items; w line width, h text height)
Top Overlay:
  lines w0.254: 13.97,48.514 13.97,47.752 25.908,47.752 ; 40.132,47.752 52.07,47.752 52.07,48.514 ; 41.012,34.408 41.402,34.798 ; 57.023,-2.54 58.293,-2.54 ; 58.538,29.854 58.928,29.464 ; 61.468,9.906 64.262,9.906 64.814,9.906 ; 40.832,34.228 41.192,34.228 40.832,34.588 40.832,34.228 ; 56.769,-2.54 57.023,-2.286 57.023,-2.794 56.769,-2.54 ; 58.293,-2.794 58.547,-2.54 58.293,-2.286 58.293,-2.794 ; 58.358,29.674 58.358,30.034 58.718,30.034 58.358,29.674 ; 64.814,9.652 64.814,10.16 65.068,9.906 64.814,9.652
  text "RST" at 4.064,47.922 h1.02 r90
  text "BSEL" at 11.43,47.922 h1.02 r90
  text "ADAFRUIT 4650" at 26.672,47.244 h1.02
  text "5V" at 51.986,38.608 h1.02
  text "3V3" at 51.478,29.464 h1.02
  text "LEAK ALARM" at 22.504,14.903 h1.02 r90
  text "RAIL" at 52.685,-2.946 h1.02
  text "USB" at 59.458,-2.946 h1.02
Bottom Overlay:
  drawing of 17 lines, arcs and shapes, not listed
  text "YOVANY MOLINA / BLAKE SANDERS / SPRING 2024 / TGIS STATUS V1" at 35.114,61.022 h0.76
  text "LID SENSE" at -2.692,51.817 h1.02 r270
  text "M3" at 3.133,37.888 h1.02
  text "PWR DBG" at 68.732,36.152 h1.02 r90
  text "LEAK SENSE" at -2.692,29.381 h1.02 r270
  text "ACT" at -2.692,24.554 h1.02 r270
  text "SYSTEM LOG" at 68.732,23.197 h1.02 r90
  text "COMMS" at -0.914,21.252 h1.02 r270
  text "STAT" at -2.692,19.474 h1.02 r270
  text "SWD" at -2.692,8.552 h1.02 r270
Mechanical 1:
  lines w0.152: 31.75,71.12 34.29,71.12 ; 47.244,73.152 49.784,73.152
  lines w0.254: -3.81,0 0,0 0,-3.81 ; -3.81,64.77 0,64.77 0,68.58 ; 66.04,-3.81 66.04,0 69.85,0 ; 66.04,68.58 66.04,64.77 69.85,64.77

## Text inside footprints (layer, text, board x,y; h text height)
J3: Mechanical 13 "PCB EDGE" at 69.739,38.17 h0.41 r90
U4: Top Overlay "-" at 17.272,13.716 h1.02; Top Overlay "+" at 17.526,24.892 h1.02; Mechanical 13 "-" at 17.926,13.512 h1.02; Mechanical 13 "+" at 17.726,25.612 h1.02